# KiCad board KB-PCB-R02_KiCad.kicad_pcb (continued)
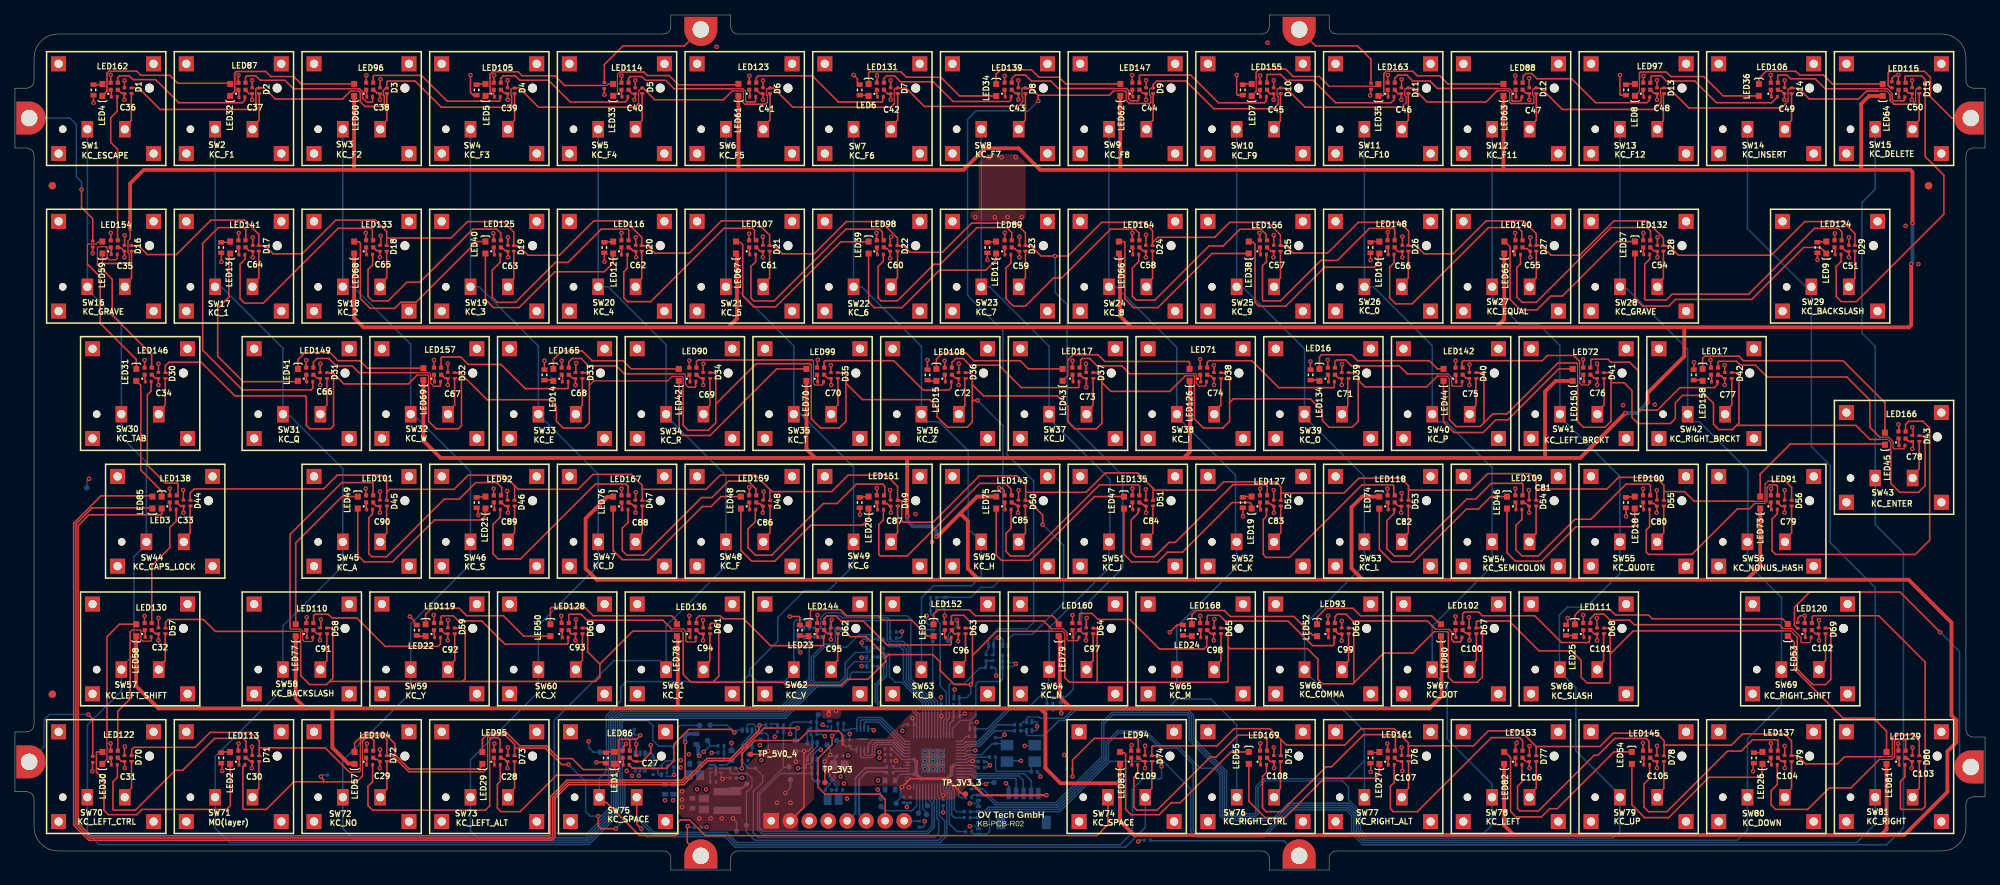
[diagram p0: board, top side]
## Routing (per net, layer and track width the routed paths; a pad name or vN(x,y) marks a point on that pad's centre or on a via; arc(x,y) is an arc through that point) (continued)
RUN: length 9.8
  SIG_BOTTOM w0.2: J2_DBG.4 133.85,12.17 133.73,12.29 128.32,12.29 127.79,12.81 U1.26
S-ROW_0: length 14.5
  SIG_BOTTOM w0.2: R8.2 R162.1 129.85,27.23 129.75,27.14 129.75,27.13 129.66,27.04 129.03,27.04 126.9,24.91 125.02,24.91 124.9,24.79 124.9,20.29 124.57,19.96 U1.12
S-ROW_1: length 15.3
  SIG_BOTTOM w0.2: 137.98,21.43 137.98,22.26 ; U1.16 126.74,16.81 127.06,17.14 128.69,17.14 132.95,21.41 137.97,21.41 R6.2 ; C112.1 R163.1
S-ROW_2: length 19.4
  SIG_BOTTOM w0.2: U1.11 124.17,19.99 124.52,20.34 124.52,23.78 123.71,24.6 123.71,32.96 122.44,34.23 122.44,34.63 C113.1 R164.1
S-ROW_3: length 15.9
  SIG_BOTTOM w0.2: U1.14 125.37,18.95 126.44,20.02 127.79,20.02 128.49,20.72 128.49,20.88 128.48,20.89 128.48,24.89 128.8,25.21 131.7,25.21 132.05,25.56 C111.1 R5.2 R165.1
S-ROW_4: length 4.3
  SIG_BOTTOM w0.2: 125.48,22.11 125.49,22.09 125.49,20.52 R4.1 125.5,20.5 125.5,20.08 124.97,19.55 U1.13
S-ROW_5: length 30.3
  SIG_BOTTOM w0.2: U1.7 122.57,22.39 119.5,25.46 119.5,29.8 118.72,30.58 117.23,30.58 117.11,30.69 117.11,30.91 117.02,31 117.02,31 117.02,31.82 C19.1 ; R167.1 108.1,31.17 108.3,31.37 108.3,33.68 108.59,33.98 110.33,33.98 110.6,33.71 116.7,33.71 117.03,33.38 117.03,32.05 117.03,32.05
SWCLK: length 12.4
  SIG_BOTTOM w0.2: 135.9,9.92 135.9,11.91 134.92,12.89 128.59,12.89 127.87,13.61 U1.24
SWDIO: length 11.3
  SIG_BOTTOM w0.2: U1.25 127.84,13.21 128.47,12.59 134.22,12.59 134.8,12.01 134.8,9.84
USB_D_N: length 10.2
  SIG_BOTTOM w0.286: R1.1 116.61,13.04 116.56,13.09 116.28,13.09 116.22,13.15 113.91,13.15 112.86,12.09 112.86,7.52 J_IN1.6
USB_D_P: length 11.2
  SIG_BOTTOM w0.286: J_IN1.5 111.49,6.58 111.49,6.76 112.37,7.64 112.37,12.3 113.71,13.64 116.22,13.64 116.28,13.7 116.56,13.7 116.61,13.75 R2.1
USB_MCU_D_N: length 2.1
  SIG_BOTTOM w0.2: R1.2 117.4,13.04 117.49,13.13 117.54,13.13 117.62,13.21 U1.46
USB_MCU_D_P: length 2
  SIG_BOTTOM w0.2: U1.47 117.58,13.61 117.54,13.66 117.49,13.66 117.4,13.75 R2.2
VREG_VOUT: length 19
  SIG_BOTTOM w0.2: 125.51,14.01 126.2,14.01 ; 120.2,12.81 120.19,12.81 119.33,12.81 ; U1.23 128.09,14.01 128.26,13.85 128.71,13.85 128.8,13.76 C3.1 ; U1.50 118.6,14.81 117.34,16.07 117.18,16.07 117.09,16.16 C1.1 ; 119.33,14.81 120.19,14.81 ; C2.1 117.69,12.07 118.43,12.81 U1.45
  SIG_BOTTOM w0.5: 120.19,14.81 120.49,14.51 120.49,12.81 ; 125.51,14.01 125.2,13.71 125.2,12.81 124.6,12.21 121.1,12.21 120.49,12.81 ; 120.49,12.81 120.21,12.81 120.2,12.81
XIN: length 7.4
  SIG_BOTTOM w0.2: 132.8,16.71 XTAL1.3 132.44,16.91 C16.1 131.07,16.88 130.68,16.88 129.23,15.43 127.32,15.43 127.1,15.21 U1.20
XOUT: length 4.2
  SIG_BOTTOM w0.2: R9.1 127.53,15.11 127.24,14.81 U1.21

## Copper pours and planes (outline as drawn; the poured copper is in the pictures)
3V3 on SIG_TOP: 107.95,15.04 107.92,15.02 107.92,13.41 110.07,11.26 117.99,11.26 118.83,9.41 125.49,9.41 128.57,12.49 128.57,20.8 127.85,21.52 120.33,21.52 116.42,17.61 110.6,17.61 109.3,16.31
3V3 on SIG_BOTTOM: 111.84,16.76 109.63,16.77 107.92,15.05 107.92,12.32 108,12.24 108.81,12.24 109.09,12.68 109.19,13.33 109.99,13.33 109.99,14.72 110.1,14.83 110.1,15.83 110.66,16.38 111.84,16.38
3V3 on SIG_BOTTOM: 119.64,12.51 119.63,12.51 118.68,12.51 118.32,12.15 118.32,11.34 118.15,11.17 117.38,11.17 117.38,10.03 117.81,9.6 119.97,9.6 120.27,9.89 120.27,11.5 120.21,11.5 119.75,11.97 119.76,11.97 119.76,12.44
3V3 on SIG_BOTTOM: 116.91,15.65 116.9,15.64 116.9,14.39 117.1,14.2 118.11,14.2 118.39,13.92 119.35,13.92 119.35,14.51 119.35,14.51 118.41,14.51 117.28,15.65
5V0 on SIG_TOP: 91.09,5.21 88.5,7.8 88.5,10.91 89.7,10.91 92.6,13.81 97.7,13.81 100.9,17.01 106.2,17.01 106.84,16.36 106.84,9.47 104.8,7.42 104.8,5.49 104.52,5.21
5V0 on SIG_BOTTOM: 97.1,8.71 97.3,8.51 97.32,8.51 97.32,6.73 96.8,6.21 91.61,6.21 90.39,7.39 88.73,7.39 88.73,11.1 84.11,11.1 83.99,11.26 83.99,13.81 84.44,13.81 84.44,13.07 84.53,12.95 85.58,12.95 85.58,12.3 85.66,12.2 88.8,12.2 89.8,11.2 89.8,8.86 89.94,8.71
5V0 on SIG_BOTTOM: 104.48,5.54 100.56,5.54 99.94,6.16 99.94,9.85 101.7,11.61 106.7,11.61 107.26,11.04 108.15,11.04 108.83,11.73 109.05,11.5 109.05,11.32 108.68,10.95 108.68,10.56 108.78,10.56 109.25,10.08 109.25,8.43 108.78,7.96 105.46,7.96 104.91,7.41 104.91,6.12
12V0 on SIG_TOP: 129.93,95.74 128.83,94.56 128.83,88.35 127.71,87.96 127.7,87.31 128.2,86.81 134.69,86.81 135.14,87.26 135.14,94.56 133.97,95.74
12V0 on SIG_BOTTOM: 93.3,13.43 93.29,13.43 92.7,13.43 92.53,13.26 92.53,12.06 92.25,11.77 91.31,11.77 91.06,12.02 91.06,15.5 91.08,15.5 91.68,16.1 92.35,16.1 92.7,15.74 92.7,15.05 92.45,14.8 92.47,14.79 92.47,13.84 92.63,13.68 93.28,13.68
12V0 on PWR: 127.36,86.47 135.27,86.47 135.85,87.06 135.85,87.75 135.25,88.35 127.4,88.35 126.9,87.85 126.9,86.86
12V0 on PWR: 127.77,94.48 135.67,94.48 136.26,95.06 136.26,95.76 135.66,96.36 127.81,96.36 127.31,95.85 127.31,94.87
GND on SIG_BOTTOM: 105.64,7.71 105.1,7.16 105.1,6.03 105.67,5.45 105.68,5.46 109.43,5.46 110.01,6.04 110.01,7.58 111.76,9.33 111.76,15.81 110.47,15.81 110.41,15.74 110.41,13.13 110.03,12.7 109.43,12.7 109.43,12.54 108.92,12.02 109.26,11.68 109.59,12.01 109.86,12.01 110.3,11.57 110.3,10.3 110.14,10.14 109.61,10.14 109.53,10.06 109.53,8.16 109.08,7.71
GND on SIG_BOTTOM: 116.66,12.38 116.66,10.37 115.25,10.37 115,10.62 115,12.08 115.3,12.39
GND on SIG_BOTTOM: 86.5,10.45 88.44,10.45 88.44,9.08 88.29,8.94 86.63,8.94 86.5,9.07
GND on SIG_BOTTOM: 116.49,16.45 116.49,16.44 116.49,14.38 115.32,14.38 115.25,14.45 115.25,16.29 115.41,16.44
GND on SIG_BOTTOM: 92.7,14.89 92.86,15.05 92.86,16.07 92.99,16.2 94.19,16.2 94.31,16.07 94.31,15.32 94.16,15.16 93.64,15.16 93.31,14.83 93.31,14.44 92.7,14.44
GND on SIG_BOTTOM: 90.66,11.84 89.59,11.84 88.62,12.8 88.62,15.13 89.62,16.13 90.57,16.13 90.75,15.95 90.75,12
GND on SIG_BOTTOM: 100.92,19.24 101.29,19.24 101.31,19.22 101.31,18.79 101.34,18.74 102.14,18.74 102.17,18.71 102.17,14.68 101.6,14.11 98.83,14.11 98.55,14.38 97.85,14.38 97.8,14.43 97.8,14.91 97.85,14.95 98.52,14.95 99.02,15.45 99.02,16.98 98.88,17.11 98.36,17.11 98.13,16.89 98.13,16.25 97.99,16.11 97.8,16.11 97.67,16.24 97.67,16.96 98.42,17.71 99.95,17.71 100,17.64 100,15.59 100.21,15.39 101.09,15.38 101.22,15.57 101.22,18.34 100.9,18.82 100.9,19.22
GND on SIG_BOTTOM: 90.31,9.01 90.17,9.14 90.17,11.31 92.86,11.31 92.86,9.14 92.73,9.01
GND on GND: 257.7,111.11 5.4,111.01 4.84,110.48 4.84,3.59 5.4,3.01 257.7,3.01 258.56,3.87 258.6,110.31
GND on PWR: 257.63,111.11 5.04,111.05 4,109.51 4,4.01 5.33,3.01 257.9,3.01 259.99,5.01 259.99,109.09
GND on PWR: 118.5,48.47 118.5,42.11 124.22,42.11 125.1,42.98 125.1,47.78 124.44,48.44
NetC22_1 on SIG_BOTTOM: 93.3,9.98 97.17,9.98 97.39,10.2 97.39,11.11 97.39,11.11 97.03,11.47 94.26,11.47 94,11.74 94,12.78 93.81,12.97 93.49,12.97 93.43,12.9 93.43,11.32 93.3,11.18
NetLED57_1 on SIG_TOP: 110.09,20.27 110.47,20.65 110.47,21.97 108.61,21.97 108.6,21.97 107.87,21.97 107.87,20.51 108.11,20.27
NetLED57_1 on SIG_BOTTOM: 108.2,19.9 108.46,19.65 109.18,19.65 110.22,20.69 110.22,21.71 108.93,21.71 108.2,20.98
RGB-LED-POWER on SIG_BOTTOM: 83.79,16.03 82.22,16.03 81.39,15.2 81.39,12.72 81.9,12.21 83.61,12.21 83.79,12.39
RGB-LED-POWER on PWR: 249.53,104.91 252.2,102.23 252.2,11.75 235.53,11.75 235.53,15.18 233.9,16.81 230.8,16.81 220.3,6.31 208.51,6.31 207.99,6.83 207.99,28.31 212.3,32.61 212.3,42.41 220.7,50.87 220.7,52.43 227.83,65.68 230.17,65.68 244,79.51 244,83.01 241.3,85.71 234,85.71 204.65,56.36 204.65,42.26 200.1,37.71 200.1,12.51 199.22,11.63 184.55,11.63 182.8,13.38 182.8,18.11 174.1,26.81 174.1,40.31 187.6,53.81 187.6,78.41 182.24,83.76 178.4,83.76 178.4,78.12 178.4,54.7 173.5,49.81 162.9,49.81 161.64,48.55 161.64,32.11 154.4,32.11 154.4,25.48 159.83,25.48 169.9,15.41 169.9,6.68 168.11,4.89 153.1,4.89 153.1,10.32 133.86,29.56 114.58,29.56 114.58,51.98 125.25,62.66 125.25,68.06 131.65,74.46 131.65,88.08 119.1,88.08 119.1,74.21 105.54,60.65 105.54,47.65 102.1,44.21 102.1,33.21 92.8,23.91 84.2,15.3 84.2,14.2 84.21,8.4 30.31,8.4 29.18,9.53 29.18,14.38 35.38,14.38 46.1,25.11 51.33,25.11 63.71,37.49 63.71,49.82 71.5,57.61 71.5,61.41 73.7,63.51 73.7,75.88 78.13,80.31 82,80.31 82,83.91 80.7,85.21 69.1,85.21 68.3,84.41 68.3,73.21 59.7,64.61 59.7,57.44 50.3,48.04 50.3,38.01 37.4,25.11 26.8,25.11 21.76,20.06 21.76,7.85 12.02,7.85 12.02,104.91

## Text on the board
Top Overlay: KC_LEFT_CTRL | KC_ESCAPE | KC_GRAVE | KC_LEFT_SHIFT | KC_TAB | KC_CAPS_LOCK | KC_1 | MO(layer) | KC_F1 | KC_BACKSLASH | KC_Q | KC_NO | KC_F2 | KC_A | KC_2 | KC_W | KC_Y | KC_LEFT_ALT | KC_F3 | KC_S | KC_3 | KC_E | KC_X | KC_F4 | KC_D | KC_4 | KC_SPACE | KC_R | KC_C | KC_F5 | KC_F | KC_5 | KC_V | KC_T | KC_G | KC_6 | KC_F6 | KC_B | KC_Z | KC_H | KC_F7 | KC_7 | KC_N | KC_U | KC_J | KC_8 | KC_F8 | KC_M | KC_I | KC_RIGHT_CTRL | KC_9 | KC_K | KC_F9 | KC_O | KC_COMMA | KC_RIGHT_ALT | KC_F10 | KC_0 | KC_L | KC_DOT | KC_P | KC_SEMICOLON | KC_LEFT | KC_F11 | KC_EQUAL | KC_LEFT_BRCKT | KC_SLASH | KC_QUOTE | KC_UP | KC_F12 | KC_RIGHT_BRCKT | KC_NONUS_HASH | KC_INSERT | KC_DOWN | KC_RIGHT_SHIFT | KC_RIGHT | KC_DELETE | KC_ENTER | KB-PCB-R02 | OV Tech GmbH
